# Altium PCB PCB_V2.PcbDoc (part 3 of 3)
Units mil, origin at the board's own origin, x right, y up, seen from the top; angles counter-clockwise.
Board outline 5050.36 x 2715 mil, 4 copper layers (Top Layer, GND, Power, Bottom Layer), stack 61.584 mil thick; 131 components, 101 nets, 507 pads, 705 vias.
Unrouted connection lines stored in the file: 2.
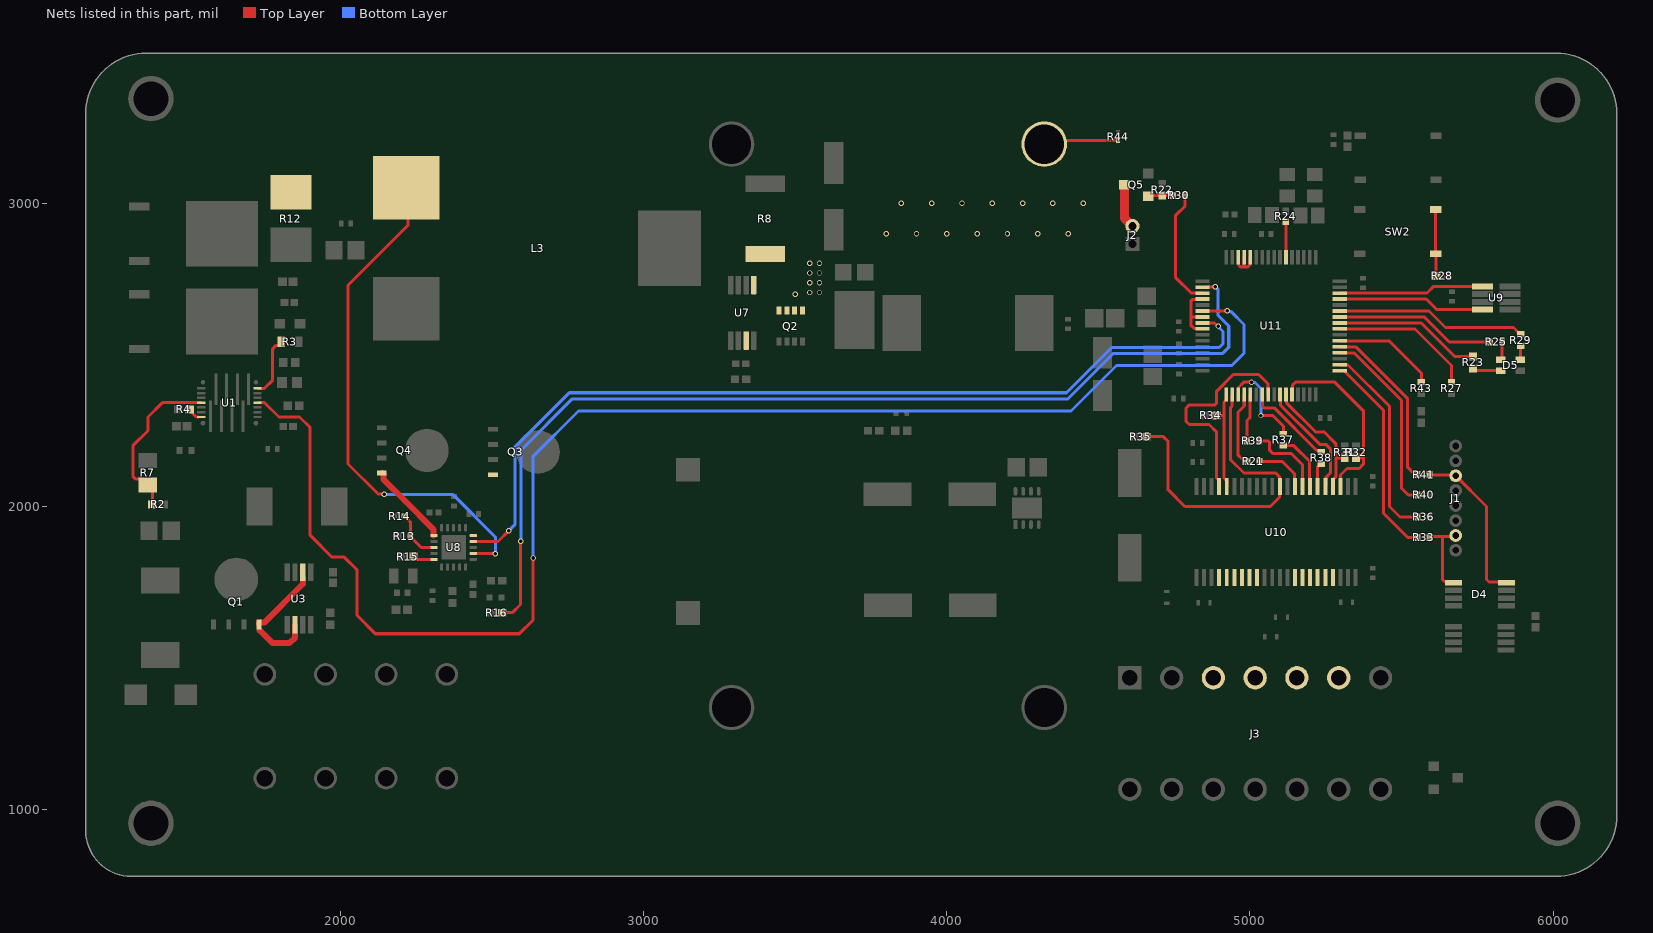
[diagram p5: the nets of this part, all layers, seen from the top]

## Via types
v1: diameter 17.72/17.72 (per signal layer), hole 11.81, Top Layer to Bottom Layer, 598 vias
v2: diameter 19.68/19.68 (per signal layer), hole 7.87, Top Layer to Bottom Layer, 106 vias
v3: diameter 18/18 (per signal layer), hole 11.81, Top Layer to Bottom Layer, 1 vias

## Nets (pads, with @x,y where several pads share a name; then routed paths per layer and width w, separated by ;. In a path a pad name is that pad's centre, name@x,y a point inside that pad or via, vN(x,y) a via of type N, cw(c..) or ccw(c..) an arc to the next point about the centre after c; other vN are vias at no path point) (continued)
NetD4_4: D4.4 J1.6 R41.1 | length 541.6
  Top Layer w10: R41.1@5592.82,2105.21 5594.82,2103.21 5676.45,2103.21 J1.6@5678.45,2101.21 5780,1999.66 5780,1758.66 5788.17,1750.49 5843.64,1750.49 D4.4@5845.54,1748.6
NetD4_5: D4.5 J1.2 R33.1 | length 270.7
  Top Layer w10: R33.1@5592.82,1897.78 5596.03,1901 5635.64,1901 ; D4.5@5671.36,1748.6 5667.51,1752.45 5641.49,1752.45 5635.64,1758.31 5635.64,1901 ; J1.2@5678.45,1904.21 5675.24,1901 5635.64,1901
NetD5_1: D5.1 R23.1 | length 95
  Top Layer w10: R23.1@5735.82,2455.09 5743.03,2447.87 D5.1@5827.86,2447.87
NetD5_2: D5.2 R25.1 | length 60.6
  Top Layer w10: D5.2@5827.86,2483.31 5831.42,2486.87 R25.1@5831.42,2542.43
NetD5_3: D5.3 R29.1 | length 46.2
  Top Layer w10: D5.3@5890.85,2483.31 5892.88,2485.34 R29.1@5892.88,2528.65
NetJ2_2: J2.2 Q5.3 | length 147.4
  Top Layer w30: Q5.3@4585.53,3060.81 4585.53,2951.28 J2.2@4612.28,2924.53
NetJ3_5: J3.5 U10.4 U10.5 U10.6
NetJ3_7: J3.7 U10.7 U10.8 U10.9
NetJ3_9: J3.9 U10.14 U10.15 U10.16
NetJ3_11: J3.11 U10.17 U10.18 U10.19
NetL3_1: L3.1 R12.2 U8.2 | length 1729.2
  Top Layer w10: v1(2145,2040) 2143.52,2041.48 2123.52,2041.48 2025,2140 2025,2730 2222.43,2927.43 2222.43,3008.14 2255,3040.71 L3.1@2241.26,3054.45 ; U8.2@2438.19,1844.96 2509.68,1844.96 v1(2510.75,1843.9)
  Bottom Layer w10: v1(2145,2040) 2370,2040 2510.75,1899.25 v1(2510.75,1843.9)
NetQ1_4: Q1.4 U3.2 U3.6 | length 426.1
  Top Layer w10: 1733.62,1591.3 Q1.4@1733.62,1611.59
  Top Layer w20: Q1.4@1731.42,1610.67 1731.42,1614.88 1733.35,1616.81 1748.58,1616.81 1875.83,1744.06 U3.6@1875.83,1764.33 ; 1733.62,1591.3 1775.28,1549.65 1832.41,1549.65 1850.24,1567.47 U3.2@1850.24,1609.65
NetQ2_1: Q2.1 Q2.2 Q2.3 R8.2 U7.1 | length 21.7
  Top Layer w10: U7.1@3363.58,2708.7 U7.1@3363.58,2730.35
  other v1: 3500,2700 3547.5,2705.71 3580,2705.71 3547.5,2737.86 3580,2737.86 3547.5,2770 3580,2770 3547.5,2802.14 3580,2802.14 3800,2900 3900,2900 4000,2900 4100,2900 4200,2900 4300,2900 4400,2900 3850,3000 3950,3000 4050,3000 4150,3000 4250,3000 4350,3000 4450,3000
NetQ2_4: Q2.4 U7.7
NetQ3_4: Q3.4 U8.5 | length 6.5
  Top Layer w10: U8.5@2438.19,1904.02 U8.5@2444.72,1904.02
NetQ4_4: Q4.4 U8.11 | length 280.1
  Top Layer w10: U8.11@2306.6,1904.29 2306.88,1904.02 U8.11@2308.27,1904.02
  Top Layer w20: Q4.4@2136.42,2109.65 2140.63,2109.65 2142.56,2107.72 2142.56,2088.5 2212.81,2018.25 2212.81,2018.08 2306.6,1924.29 U8.11@2306.6,1904.29
NetQ5_1: Q5.1 R22.1 R30.1 | length 79.5
  Top Layer w10: Q5.1@4666.67,3025.81 R22.1@4710.53,3025.81 R30.1@4746.16,3025.81
NetR2_2: R2.2 R7.1 U1.18 | length 543.6
  Top Layer w10: R2.2@1379.86,2006.89 1379.86,2055.65 1345.51,2090 1325,2090 1315,2100 1315,2200 1365,2250 1365,2295 1412.31,2342.31 U1.18@1541.25,2342.31
NetR3_1: R3.1 U1.8 | length 205.4
  Top Layer w10: U1.8@1726.29,2389.56 1749.56,2389.56 1776.42,2416.42 1776.42,2519.92 1786.94,2530.45 1796.79,2530.45 1804.58,2538.24 R3.1@1804.58,2543.16
NetR4_1: R4.1 U1.21 | length 42.6
  Top Layer w10: R4.1@1502.4,2320 1503.39,2320 1511.18,2312.2 1511.18,2308.41 1518.47,2301.12 1524.52,2295.07 U1.21@1532.47,2295.07
NetR13_2: R13.2 R14.1 U8.13 | length 167.5
  Top Layer w10: R14.1@2211.47,1967.1 2211.77,1967.1 2230.7,1948.17 R13.2@2230.7,1902.08 R13.2@2229.24,1903.55 ; R13.2@2230.7,1900.11 2266.17,1864.65 U8.13@2308.27,1864.65
NetR15_1: R15.1 U8.15 | length 70.8
  Top Layer w10: R15.1@2241.42,1834.65 R15.1@2241.42,1834.65 2250.7,1825.28 U8.15@2308.27,1825.28
NetR16_1: R16.1 U11.18 | length 3299.1
  Top Layer w10: R16.1@2533.82,1649.65 2566.42,1649.65 2593.5,1676.73 2593.5,1873.59 2593.68,1873.77 2593.68,1883.52 v1(2595.16,1885) ; U11.18@4860.82,2723.37 4861.63,2724.19 4884.19,2724.19 v1(4885,2725)
  Bottom Layer w10: v1(2595.16,1885) 2595.16,2185.16 2765,2355 4400,2355 4550,2505 4910,2505 4930,2525 4930,2595 4895,2630 4895,2715 v1(4885,2725)
NetR21_1: R21.1 U10.31 | length 176.3
  Top Layer w10: R21.1@5030.87,2148.46 5106.54,2148.46 5146.95,2108.05 5146.95,2066.71 U10.31@5148.45,2065.21
NetR21_2: R21.2 U11.36 | length 249.2
  Top Layer w10: U11.36@4981.12,2369.04 4981.12,2331.12 4960,2310 4960,2170 4975.09,2154.91 4986.66,2154.91 4991.5,2150.07 R21.2@4991.5,2148.46
NetR23_2: R23.2 U11.57 | length 485.6
  Top Layer w10: U11.57@5296.08,2605.26 5564.74,2605.26 5675.37,2494.63 R23.2@5735.82,2494.63
NetR24_1: R24.1 U11.6 | length 118
  Top Layer w10: U11.6@5118.91,2821.8 R24.1@5118.91,2939.75
NetR25_2: R25.2 U11.58 | length 530.2
  Top Layer w10: U11.58@5296.08,2624.95 5575.05,2624.95 5657.57,2542.43 R25.2@5792.05,2542.43
NetR27_1: R27.1 U11.56 | length 474.2
  Top Layer w10: U11.56@5296.08,2585.58 5544.42,2585.58 5665,2465 R27.1@5665,2409.68
NetR28_1: R28.1 SW2.1 SW2.2 | length 225.1
  Top Layer w10: SW2.2@5612.99,2979.93 SW2.2@5612.71,2979.65 SW2.1@5612.71,2833.98 5613.59,2833.1 R28.1@5613.59,2755.35
NetR29_2: R29.2 U11.59 | length 628.5
  Top Layer w10: U11.59@5296.08,2644.63 5391.47,2644.63 5391.78,2644.32 5590.68,2644.32 5645,2590 5868.93,2590 5890.91,2568.02 R29.2@5892.88,2568.02
NetR30_2: R30.2 U11.19 | length 394
  Top Layer w10: R30.2@4785.53,3025.81 4785.53,2990.53 4753.79,2958.79 4753.79,2756.21 4806.31,2703.69 U11.19@4843.32,2703.69
NetR31_1: R31.1 U10.26 U11.43 | length 412.5
  Top Layer w10: U11.43@5118.91,2369.04 5119.91,2368.04 5119.91,2342.15 5216.03,2246.03 5219.17,2246.03 ; 5219.2,2246 5244,2246 5283.19,2206.81 5283.19,2160.21 ; U10.26@5273.45,2065.21 5274.95,2066.71 5274.95,2089.95 5283.19,2098.19 5283.19,2160.21 ; R31.1@5303.45,2160.21 5283.19,2160.21
NetR32_1: R32.1 U10.25 U11.44 | length 638.1
  Top Layer w10: U11.44@5138.6,2369.04 5139.6,2370.04 5139.6,2399.6 5150,2410 5280,2410 5373.97,2316.03 5373.97,2160.21 ; U10.25@5298.45,2065.21 5298.45,2103.45 5320,2125 5360,2125 5373.97,2138.97 5373.97,2160.21 ; R32.1@5349.95,2160.21 5373.97,2160.21
NetR33_2: R33.2 U11.49 | length 685.9
  Top Layer w10: U11.49@5296.08,2447.78 5313.58,2447.78 5314.58,2446.78 5314.58,2443.42 5440,2318 5440,1978.66 5520.88,1897.78 R33.2@5553.45,1897.78
NetR34_2: R34.2 U10.40 U11.33 | length 339.1
  Top Layer w10: R34.2@4887.8,2300 4914.11,2300 ; U11.33@4922.06,2369.04 4922.06,2351.54 4921.06,2350.54 4919.96,2350.54 4914.11,2344.68 4914.11,2300 ; U10.40@4923.45,2065.21 4923.45,2086.46 4921.95,2087.96 4919.96,2087.96 4914.11,2093.82 4914.11,2300
NetR35_2: R35.2 U10.33 U11.34 | length 1110.8
  Top Layer w10: R35.2@4658.7,2230 4714.14,2230 4730,2214.14 4730,2055 4785,2000 5066.9,2000 5097.55,2030.65 5097.55,2064.31 U10.33@5098.45,2065.21 5096.95,2066.71 5096.95,2098.05 5085,2110 4980,2110 4935,2155 4935,2325 4940.75,2330.75 4940.75,2368.04 U11.34@4941.75,2369.04
NetR36_2: R36.2 U11.50 | length 658.7
  Top Layer w10: U11.50@5296.08,2467.47 5297.08,2466.47 5323.53,2466.47 5460,2330 5460,2000 5494.79,1965.21 R36.2@5553.45,1965.21
NetR37_1: R37.1 U11.35 | length 316.3
  Top Layer w10: U11.35@4961.43,2369.04 4962.43,2370.04 4962.43,2392.58 4979.85,2410 v1(5005,2410) ; v1(5036.16,2299.79) 5075.21,2299.79 5110,2265 R37.1@5110,2239.68
  Bottom Layer w10: v1(5005,2410) 5006.48,2408.52 5016.48,2408.52 5036.16,2388.84 v1(5036.16,2299.79)
NetR37_2: R37.2 U10.29 | length 192.1
  Top Layer w10: R37.2@5110,2200.32 5144.69,2200.32 5196.95,2148.05 5196.95,2066.71 U10.29@5198.45,2065.21
NetR38_1: R38.1 U10.28 | length 81
  Top Layer w10: U10.28@5223.45,2065.21 5223.45,2130.73 5233.03,2140.32 R38.1@5235,2140.32
NetR38_2: R38.2 U11.39 | length 295
  Top Layer w10: U11.39@5040.17,2369.04 5040.92,2368.29 5040.92,2331.12 5046.78,2325.26 5079.74,2325.26 5220.47,2184.53 5230.16,2184.53 R38.2@5235,2179.68
NetR39_1: R39.1 U11.37 | length 157.2
  Top Layer w10: R39.1@4990.08,2216.31 4990.08,2283.22 5000.8,2293.95 U11.37@5000.8,2369.04
NetR39_2: R39.2 U10.30 | length 264
  Top Layer w10: R39.2@5029.45,2216.31 5059.14,2216.31 5065,2210.46 5065,2185 5075.26,2174.74 5136.48,2174.74 5173.45,2137.77 U10.30@5173.45,2065.21
NetR40_2: R40.2 U11.52 | length 621.5
  Top Layer w10: U11.52@5296.08,2506.84 5343.16,2506.84 5500,2350 5500,2060 5522.22,2037.78 R40.2@5553.45,2037.78
NetR41_2: R41.2 U11.53 | length 565.4
  Top Layer w10: U11.53@5296.08,2526.52 5348.48,2526.52 5520,2355 5520,2128.78 5537.08,2111.7 5548.61,2111.7 5553.45,2106.86 R41.2@5553.45,2105.21
NetR43_2: R43.2 U11.54 | length 343.2
  Top Layer w10: U11.54@5296.08,2546.21 5458.79,2546.21 5565,2440 R43.2@5565,2409.68
NetR44_1: pad.11@4321.5,3195 R44.1 | length 248.6
  Top Layer w10: pad.11@4333.7,3207.2 R44.1@4565,3207.2
  Top Layer w30: pad.11@4321.5,3195 pad.11@4333.7,3207.2
NetU1_5: U1.5 U11.22 | length 4815.2
  Top Layer w10: U1.5@1726.29,2342.31 1749.63,2342.31 1796.94,2295 1865,2295 1900,2260 1900,1905 1972.33,1832.67 2012.33,1832.67 2055,1790 2055,1640 2115,1580 2590,1580 2635,1625 2635,1829.25 v1(2635.75,1830) ; U11.22@4843.32,2644.63 4843.5,2644.82 4924.82,2644.82 v1(4925,2645)
  Bottom Layer w10: v1(2635.75,1830) 2635.75,2165.75 2785,2315 4410,2315 4560,2465 4940,2465 4980,2505 4980,2600 4936.48,2643.52 4926.48,2643.52 v1(4925,2645)
NetU8_4: U8.4 U11.24 | length 3013.1
  Top Layer w10: U8.4@2438.19,1884.33 2519.33,1884.33 v1(2555,1920) ; U11.24@4843.32,2605.26 4882.65,2605.26 4892.91,2595 v1(4895,2595)
  Bottom Layer w10: v1(2555,1920) 2575,1940 2575,2195 2755,2375 4395,2375 4544.25,2524.25 4898.59,2524.25 4910.75,2536.41 4910.75,2577.16 4895,2592.91 v1(4895,2595)
NetU9_1: U9.1 U11.62 | length 479.7
  Top Layer w10: U11.62@5296.08,2703.69 5583.69,2703.69 5606.16,2726.16 U9.1@5766.42,2726.16
NetU9_4: U9.4 U11.61 | length 484.7
  Top Layer w10: U11.61@5296.08,2684 5581,2684 5615.61,2649.39 U9.4@5766.42,2649.39
NetU10_27: U10.27 U11.42 | length 391.1
  Top Layer w10: U11.42@5099.23,2369.04 5100.23,2368.04 5100.23,2334.77 5230,2205 5250,2205 5265,2190 5265,2110 5249.95,2094.95 5249.95,2066.71 U10.27@5248.45,2065.21
NetU10_41: U10.41 U11.40 | length 730.1
  Top Layer w10: U10.41@4898.45,2065.21 4898.45,2086.46 4896.95,2087.96 4895.86,2087.96 4890,2093.82 4890,2245 4865,2270 4800,2270 4789.25,2280.75 4789.25,2324.25 4800,2335 4884.14,2335 4890,2340.86 4890,2380 4945,2435 5028.66,2435 5059.86,2403.81 U11.40@5059.86,2369.04
NetU11_12: U11.12 U11.13 U11.14 | length 125.9
  Top Layer w10: U11.14@4961.43,2821.8 4962.43,2820.8 4962.43,2796.07 4968.29,2790.21 4980.87,2790.21 ; U11.13@4981.12,2821.8 4980.87,2821.55 4980.87,2790.21 ; U11.12@5000.8,2821.8 4999.8,2820.8 4999.8,2796.56 4993.45,2790.21 4980.87,2790.21
NetU11_20: U11.20 U11.23 U11.25 | length 202.4
  Top Layer w10: U11.23@4843.27,2625 4805,2625 ; U11.25@4843.32,2585.58 4842.32,2586.58 4815.86,2586.58 4805,2597.43 4805,2625 ; U11.20@4843.32,2684 4842.32,2683 4810.86,2683 4805,2677.14 4805,2625
pads on no net: D4.6 J1.8 L3.MP U1.1 U1.2 U1.3 U1.15 U1.16 U1.17 U1.19 U1.20 U3.3 U3.5 U6.2 U6.5 U6.7 U8.12 U10.32 U10.34 U10.35 U10.36 U10.37 U10.38 U11.3 U11.8 U11.9 U11.10 U11.11 U11.30 U11.38 U11.41 U11.45 U11.46 U11.51 U11.60

## Polygon pours and split planes (outlines as drawn)
NetC2_1 on Top Layer "NONET_L01_P-001" (solid, pour order 1): 1555.03,2247.82 1555.03,2283.26 1490.03,2283.26 1486.42,2279.65 1486.42,2249.65 1491.42,2244.65 1551.85,2244.65
GND on Top Layer "NONET_L01_P-001" (solid, pour order 3): 3884.79,1750.91 3874.79,1760.91 3794.79,1760.91 3779.79,1745.91 3779.79,1595.91 3789.79,1585.91 3874.79,1585.91 3884.79,1595.91
GND on Top Layer "NONET_L01_P-001" (solid, pour order 8): 2959.82,1787.06 2959.82,1599.65 3336.42,1599.65 3336.42,1787.06
NetC1_1 on Top Layer "NETC1_1_L01_P009" (solid, pour order 9): 1545,1665 1499.99,1710.01 1499.99,1830.01 1465,1865 1141.77,1865 1100,1953.33 1100,2350 1710,2350 1760,2400 1855,2400 1855,2130 1885,2100 2120,2100 2120,1820 2170,1770 2620,1770 2655,1805 2655,1885 3900.67,1885 3925.67,1860 3925.67,1385 2111,1385 2044.84,1451.16 2044.95,1590 2044.95,1597.12 1977.03,1665
GND on Top Layer "NONET_L01_P-001" (solid, pour order 10): 4523.45,2135.21 4513.45,2125.21 4513.45,2045.21 4528.45,2030.21 4678.45,2030.21 4688.45,2040.21 4688.45,2125.21 4678.45,2135.21
GND on Top Layer "NONET_L01_P-001" (solid, pour order 22): 3884.04,2117.67 3874.04,2127.67 3794.04,2127.67 3779.04,2112.67 3779.04,1962.67 3789.04,1952.67 3874.04,1952.67 3884.04,1962.67
NetC15_1 on Top Layer "NONET_L01_P-001" (solid, pour order 30): 4405,2470 4405,2492.03 4520,2607.03 4520,2740 4220,2740 4195,2715 4195,2619.61 3906.42,2320.8 3906.42,1883.58 3930.35,1859.65 4151.42,1859.65 4211.42,1919.65 4211.42,2014.65 4226.42,2029.65 4246.42,2029.65 4266.42,2049.65 4266.42,2290 4315,2290 4405,2380
GND on Top Layer "NONET_L01_P-001" (solid, pour order 35): 5308.03,1793.71 5306.03,1793.71 5283.17,1793.71 5285.36,1615.79 5335.36,1565.79 5460.36,1565.79 5470.36,1575.79 5470.36,1631.38 5460.22,1641.52 5333.47,1641.52 5310.41,1664.58 5309.43,1793.71
GND on Top Layer "NONET_L01_P-001" (solid, pour order 36): 4860.79,1793.13 4862.78,1793.13 4887.2,1793.13 4887.2,1613.23 4823.92,1565.21 4708.45,1565.21 4698.45,1575.21 4698.45,1630.79 4708.6,1640.94 4835.34,1640.94 4858.4,1664 4859.38,1793.13
NetJ3_11 on Top Layer "NONET_L01_P-001" (solid, pour order 37): 5288.45,1611.55 5370,1551.31 5370,1355 5215.03,1355 5215.03,1559.7 5213.45,1561.28 5213.45,1793.63 5215.03,1795.21 5288.45,1795.21
NetJ3_9 on Top Layer "NONET_L01_P-001" (solid, pour order 38): 5213.45,1560 5213.45,1355 5083.98,1355 5083.98,1530 5125,1530 5125,1795.21 5213.45,1795.21
NetJ3_7 on Top Layer "NONET_L01_P-001" (solid, pour order 39): 4961.69,1795.21 5045,1795.21 5045,1530 5083.98,1530 5083.98,1355 4961.69,1355 4961.69,1553.6
NetJ3_5 on Top Layer "NONET_L01_P-001" (solid, pour order 40): 4885.7,1797.46 4956.2,1797.46 4958.45,1795.21 4958.45,1556.68 4958.45,1355 4810,1355 4810,1552.25 4885.7,1610
NetC11_2 on Top Layer "S" (solid, pour order 42): 4655,1540 4365.75,1829.25 4365.75,1920.32 4326.42,1959.65 4221.42,1959.65 4211.42,1949.65 4211.42,1919.65 4147.09,1855.32 3920,1855.32 3920,485 5040,485 5185,340 5310,465 5310,490 6050,490 6540,980 6380,1140 6380,3785 6230,3635 4525,3635 4525,2580 4775,2580 4830,2635 4830,2705 4860,2735 4910,2735 5000,2645 5000,2490 4940,2430 4705,2430 4565,2290 4430,2290 4430,2060 4505,1985 5415,1985 5505,1895 5505,1570 5475,1540
NetC21_1 on Top Layer "NONET_L01_P-001" (solid, pour order 43): 2655,1955 2621.06,1955 2620.71,1954.65 2566.42,2008.94 2566.42,2261.42 2594.65,2289.65 2784.65,2289.65 2785,2290 4430,2290 4430,2215 4430,2054.52 4499.52,1985 5415,1985 5505,1895 5505,1570 5455,1520 3930,1520 3930,1815 3865,1880 2655,1880
NetQ3_4 on Top Layer "NONET_L01_P-001" (solid, pour order 44): 2418.23,1894.65 2497.36,1894.65 2523.23,1920.51 2523.23,2114.65 2518.23,2119.65 2483.23,2119.65 2478.23,2114.65 2478.23,1934.65 2463.23,1919.65 2428.23,1919.65 2418.23,1909.65
GND on Top Layer "NONET_L01_P-001" (solid, pour order 50): 4860,2430 4895,2395 4895,2325 4965,2255 5105,2255 5145,2295 5145,2455 5000,2600 5000,2660 4915,2745 4860,2745 4830,2715 4830,2635 4775,2580 4495,2580 4345,2430 2725,2430 2540,2245 2540,2165 2475,2100 2120,2100 2120,1820 2170,1770 2620,1770 2670,1820 2670,2165 2770,2265 4540,2265 4705,2430
NetL3_1 on Top Layer "NONET_L01_P-001" (solid, pour order 61): 1755,3135 1795,3175 2330,3175 2345,3160 2345,2940 2339.13,2934.13 1770.87,2934.13 1755,2950
GND on Top Layer "NONET_L01_P-001" (solid, pour order 81): 1430,2444.78 1435.22,2450 1554.82,2450 1565,2439.82 1565,2403.46 1556.54,2395 1440,2395 1430,2405
NetC4_1 on Top Layer "NETC4_1_L01_P082" (solid, pour order 82): 3445,2885 3510.59,2950.59 3510.59,2990.59 3560,3040 3705,3040 3755,3090 3755,3095 4525,3095 4525,3515 4485,3555 1075,3555 1100,2350 1710,2350 1760,2400 1855,2400 1975,2520 2010,2520 2010,2730 2205,2925 3195,2925 3195,2765 3265,2695 3325,2695 3325,2865 3345,2885
NetC3_1 on Top Layer "Top Layer-NetC7_1" (solid, pour order 83): 987.4,654.99 3925,654.99 3925,1385 2111,1385 2044.2,1451.8 2045,1452.6 2045,1590 1974.33,1660.67 1549.33,1660.67 1499.99,1710.01 1499.99,1825.01 1465,1860 1405,1860 1402.28,1862.72 987.4,1862.72
NetD1_2 on Top Layer "NONET_L01_P-001" (solid, pour order 84): 3430,2618.6 3429.1,2619.5 3399.5,2619.5 3380,2600 3380,2430 3430,2430 4345,2430 4495,2580 4525,2580 4525,2815 3785,2815 3588.6,2618.6
GND on Top Layer "NONET_L01_P-001" (solid, pour order 85): 3620,2830 3590,2830 3570,2850 3570,2965 3600,2995 3742.5,2995 3767.5,2970 3767.5,2740 3620,2740
GND on Top Layer "NONET_L01_P-001" (solid, pour order 86): 2166.42,2284.65 2046.42,2284.65 2031.42,2269.65 2031.42,2148.94 2045.71,2134.65 2156.42,2134.65 2171.42,2149.65 2171.42,2279.65
GND on Top Layer "NONET_L01_P-001" (solid, pour order 87): 495,15265 545,15215 6165,15215 6420,14960 6420,10600 5650,9830 905,9830 0,10735 0,14915
NetQ2_4 on Top Layer "NONET_L01_P-001" (solid, pour order 88): 3455,2665 3455,2626.63 3396.63,2626.63 3350,2580 3350,2515 3325,2515 3325,2595 3395,2665
NetQ2_1 on Top Layer "NONET_L01_P-001" (solid, pour order 89): 3425,2925 3325,2925 3325,2618.6 3588.6,2618.6 3710,2740 3785,2815 4520,2815 4520,3095 3595,3095
NetC20_1 on Top Layer "NETC20_1_L01_P090" (solid, pour order 90): 1885,2100 2475,2100 2540,2165 2540,2245 2725,2430 3475,2430 3475,2925 2230,2925 1980,2675 1980,2525 1855,2400 1855,2130
GND on Bottom Layer "NONET_L01_P-001" (solid, pour order 45): 4860,2430 4930,2360 4930,2290 4960,2260 5315,2260 5400,2345 5400,2665 5310,2755 4855,2755 4815,2715 4815,2620 4775,2580 4495,2580 4345,2430 2725,2430 2540,2245 2540,2165 2475,2100 2120,2100 2120,1820 2170,1770 2620,1770 2665,1815 2665,2155 2790,2280 4555,2280 4705,2430
NetC3_1 on Bottom Layer "NETC3_1_L04_P072" (solid, pour order 72): 3905,1155 3930,1130 3930,679.99 3905,654.99 987.4,654.99 987.4,1862.72 1069.07,1884.99 1487.4,1884.99 1567.4,1804.99 1567.4,1644.99 1692.4,1519.99 1976.01,1519.99 2113.23,1382.77 3060.18,1382.77 3095,1355 3905,1355
NetC11_2 on Bottom Layer "S" (solid, pour order 74): 3930,1515 3930,485 5040,485 5185,340 5310,465 5310,490 6050,490 6540,980 6380,1140 6380,3785 6230,3635 4525,3635 4525,2580 4775,2580 4830,2635 4830,2715 4860,2745 4915,2745 5000,2660 5000,2490 4940,2430 4705,2430 4565,2290 4450,2290 4450,2070 4530,1990 5410,1990 5505,1895 5505,1570 5450,1515
NetC21_1 on Bottom Layer "NONET_L01_P-001" (solid, pour order 78): 3095,1915 3065,1885 2669.33,1885 2655,1899.33 2655,2160 2785,2290 4430,2290 4430,2215 4430,2054.52 4499.52,1985 5415,1985 5505,1895 5505,1570 5475,1540 5468.88,1540 5443.88,1515 4550,1515 4525,1540 3930,1540 3930,1815 3830,1915
NetC1_1 on Bottom Layer "NETC1_1_L04_P073" (solid, pour order 73): 1710,2350 1760,2400 1855,2400 1855,2130 1885,2100 2120,2100 2120,1820 2170,1770 2620,1770 2655,1805 2655,1885 3820,1885 3905,1800 3905,1385 2112.4,1385 1977.4,1520 1690,1520 1565,1645 1565,1807.39 1487.4,1885 1141,1885 1100,1953.33 1100,2350
NetC20_1 on Bottom Layer "NETC20_1_L04_P076" (solid, pour order 76): 2250,2945 3085,2945 3105,2925 3460,2925 3460,2430 2725,2430 2540,2245 2540,2165 2475,2100 1885,2100 1855,2130 1855,2400 1980,2525 1980,2675
NetD1_2 on Bottom Layer "NONET_L01_P-001" (solid, pour order 77): 3480,2430 3480,2605 3600,2605 3790,2795 4510,2795 4510,2580 4495,2580 4345,2430
NetQ2_1 on Bottom Layer "NONET_L01_P-001" (solid, pour order 71): 3510,2920 3480,2920 3480,2625 3595,2625 3710,2740 3785,2815 4510,2815 4510,3095 3685,3095
NetC4_1 on Bottom Layer "NETC4_1_L04_P075" (solid, pour order 75): 1075,3555 4410,3555 4445,3555 4485,3555 4510,3530 4510,3115 3670,3115 3500,2945 2250,2945 1980,2675 1980,2520 1975,2520 1855,2400 1760,2400 1710,2350 1100,2350
GND on Bottom Layer "NONET_L01_P-001" (solid, pour order 66): 195,15360 6050,15360 6545,14865 6545,10005 6525,9985 465,9985 0,10450 0,15170
no net on Bottom Solder (solid): 3115,2463.02 4333.02,2463.02 4500,2630 4500,3365 3115,3365
no net on Bottom Solder (solid): 3115,1170 4500,1170 4500,2250 3115,2250
NetC1_1 on Power (split plane): 1379.9,2315 1379.9,2265 1380.29,2263.05 1381.4,2261.4 1406.4,2236.4 1408.05,2235.29 1410,2234.9 1480,2234.9 1481.95,2235.29 1483.6,2236.4 1498.6,2251.4 1532.11,2284.9 1849.9,2284.9 1849.9,2130 1850.29,2128.05 1851.4,2126.4 1881.4,2096.4 1883.05,2095.29 1885,2094.9 2114.9,2094.9 2114.9,2065 2114.9,1820 2115.29,1818.05 2116.4,1816.4 2166.4,1766.4 2168.05,1765.29 2170,1764.9 2620,1764.9 2621.95,1765.29 2623.6,1766.4 2673.6,1816.4 2674.71,1818.05 2675.1,1820 2675.1,1909.9 3827.89,1909.9 3833.27,1904.52 3837.02,1900.77 3853.9,1883.9 3853.9,1883.89 3898.9,1838.9 3924.9,1812.89 3924.9,1560 3924.9,1540 3924.9,1390.1 2112.11,1390.1 1978.6,1523.6 1976.95,1524.71 1975,1525.1 1692.11,1525.1 1570.1,1647.11 1570.1,1805 1569.71,1806.95 1568.6,1808.6 1488.6,1888.6 1486.95,1889.71 1485,1890.1 1180.1,1890.1 1180.1,2344.9 1379.9,2344.9
NetC3_1 on Power (split plane): 1559.9,1802.89 1559.9,1645 1560.29,1643.05 1561.4,1641.4 1686.4,1516.4 1688.05,1515.29 1690,1514.9 1972.89,1514.9 2106.4,1381.4 2108.05,1380.29 2110,1379.9 3924.9,1379.9 3924.9,800.1 1310,800.1 1309.41,800.04 1300.73,800.35 1291.5,801.34 1282.37,802.99 1273.38,805.28 1264.58,808.21 1256,811.76 1247.71,815.92 1239.73,820.65 1232.1,825.94 1224.88,831.77 1218.09,838.09 1211.77,844.88 1205.94,852.1 1200.65,859.73 1195.92,867.71 1191.76,876 1188.21,884.58 1185.28,893.38 1182.99,902.37 1181.34,911.5 1180.35,920.73 1180.04,929.41 1180.1,930 1180.1,1879.9 1482.89,1879.9
GND on Power (split plane): 1849.9,2295.1 1530,2295.1 1528.05,2294.71 1526.4,2293.6 1491.4,2258.6 1477.89,2245.1 1412.11,2245.1 1390.1,2267.11 1390.1,2344.9 1710,2344.9 1711.95,2345.29 1713.6,2346.4 1753.6,2386.4 1753.61,2386.4 1762.11,2394.9 1849.9,2394.9
NetC20_1 on Power (split plane): 3469.9,2895 3469.9,2655 3469.9,2620 3469.9,2605 3469.9,2435.1 2725,2435.1 2723.05,2434.71 2721.4,2433.6 2536.4,2248.6 2535.29,2246.95 2534.9,2245 2534.9,2167.11 2472.89,2105.1 1887.11,2105.1 1860.1,2132.11 1860.1,2397.89 1983.6,2521.4 1984.71,2523.05 1985.1,2525 1985.1,2565 1985.1,2672.89 2232.11,2919.9 3469.9,2919.9
NetC4_1 on Power (split plane): 1359.64,3474.91 1359.64,3474.9 1359.65,3474.9 1359.66,3474.9 1360.02,3474.9 4519.9,3474.9 4519.9,3102.11 4517.89,3100.1 3685,3100.1 3683.05,3099.71 3681.4,3098.6 3512.89,2930.1 2230,2930.1 2228.05,2929.71 2226.4,2928.6 1976.4,2678.6 1975.29,2676.95 1974.9,2675 1974.9,2565 1974.9,2527.11 1852.89,2405.1 1760,2405.1 1758.05,2404.71 1756.4,2403.6 1746.4,2393.61 1746.4,2393.6 1707.89,2355.1 1180.1,2355.1 1180.1,3292.27 1179.97,3293.58 1179.92,3294.9 1179.7,3296.62 1180.03,3306.77 1181.18,3318.49 1183.1,3330.12 1185.78,3341.59 1189.2,3352.86 1193.35,3363.88 1198.21,3374.61 1203.76,3385 1209.98,3395 1216.84,3404.57 1224.31,3413.68 1232.36,3422.28 1240.96,3430.33 1250.07,3437.8 1259.64,3444.66 1269.64,3450.88 1280.03,3456.43 1290.76,3461.29 1301.78,3465.44 1313.05,3468.86 1324.52,3471.54 1336.15,3473.46 1347.87,3474.61 1358.94,3474.97
NetC21_1 on Power (split plane): 4424.9,2250 4424.9,2055 4425.29,2053.05 4426.4,2051.4 4496.4,1981.4 4498.05,1980.29 4500,1979.9 5412.89,1979.9 5499.9,1892.89 5499.9,1572.11 5472.89,1545.1 3935.1,1545.1 3935.1,1560 3935.1,1815 3934.71,1816.95 3933.6,1818.6 3906.1,1846.1 3861.11,1891.1 3861.1,1891.1 3844.23,1907.98 3840.48,1911.73 3833.6,1918.6 3831.95,1919.71 3830,1920.1 2675.1,1920.1 2675.1,2095 2675.1,2162.89 2706.1,2193.9 2706.11,2193.9 2741.1,2228.9 2772.11,2259.9 4424.9,2259.9
NetC11_2 on Power (split plane): 6021.77,3474.61 6033.49,3473.46 6045.12,3471.54 6056.59,3468.86 6067.86,3465.44 6078.88,3461.29 6089.61,3456.43 6100,3450.88 6110,3444.66 6119.57,3437.8 6128.68,3430.33 6137.28,3422.28 6145.33,3413.68 6152.8,3404.57 6159.66,3395 6165.88,3385 6171.43,3374.61 6176.3,3363.88 6180.44,3352.86 6183.86,3341.59 6186.54,3330.12 6188.46,3318.49 6189.61,3306.77 6189.97,3295.71 6189.9,3295 6189.9,980 6189.97,979.29 6189.61,968.23 6188.46,956.51 6186.54,944.88 6183.86,933.41 6180.44,922.14 6176.29,911.12 6171.43,900.39 6165.88,890 6159.66,880 6152.8,870.43 6145.33,861.32 6137.28,852.72 6128.68,844.67 6119.57,837.2 6110,830.34 6100,824.12 6089.61,818.57 6078.88,813.71 6067.86,809.56 6056.59,806.14 6045.12,803.46 6033.49,801.54 6021.77,800.39 6010.71,800.03 6010,800.1 3935.1,800.1 3935.1,1534.9 5475,1534.9 5476.95,1535.29 5478.6,1536.4 5508.6,1566.4 5509.71,1568.05 5510.1,1570 5510.1,1895 5509.71,1896.95 5508.6,1898.6 5418.6,1988.6 5416.95,1989.71 5415,1990.1 4502.11,1990.1 4435.1,2057.11 4435.1,2250 4435.1,2259.9 4540,2259.9 4541.95,2260.29 4543.6,2261.4 4583.6,2301.4 4707.11,2424.9 4827.89,2424.9 4904.9,2347.89 4904.9,2050 4905.29,2048.05 4906.4,2046.4 4936.4,2016.4 4938.05,2015.29 4940,2014.9 5190,2014.9 5191.95,2015.29 5193.6,2016.4 5223.6,2046.4 5224.71,2048.05 5225.1,2050 5225.1,2450 5224.71,2451.95 5223.6,2453.6 5003.6,2673.6 4913.6,2763.6 4911.95,2764.71 4910,2765.1 4865,2765.1 4863.05,2764.71 4861.4,2763.6 4826.4,2728.6 4825.29,2726.95 4824.9,2725 4824.9,2637.11 4772.89,2585.1 4530.1,2585.1 4530.1,2635 4530.1,3474.9 6010,3474.9 6010.71,3474.97
NetQ2_1 on Power (split plane): 4519.9,2820.1 3785,2820.1 3783.05,2819.71 3781.4,2818.6 3587.89,2625.1 3480.1,2625.1 3480.1,2655 3480.1,2895 3480.1,2919.9 3515,2919.9 3516.95,2920.29 3518.6,2921.4 3687.11,3089.9 4519.9,3089.9
GND on Power (split plane): 4996.4,2666.4 5214.9,2447.89 5214.9,2052.11 5187.89,2025.1 4942.11,2025.1 4915.1,2052.11 4915.1,2350 4914.71,2351.95 4913.6,2353.6 4833.6,2433.6 4831.95,2434.71 4830,2435.1 4705,2435.1 4703.05,2434.71 4701.4,2433.6 4576.4,2308.61 4576.4,2308.6 4537.89,2270.1 4435.1,2270.1 4435.1,2285 4434.71,2286.95 4433.6,2288.6 4431.95,2289.71 4430,2290.1 4428.05,2289.71 4426.4,2288.6 4425.29,2286.95 4424.9,2285 4424.9,2270.1 2770,2270.1 2768.05,2269.71 2766.4,2268.6 2733.9,2236.1 2698.9,2201.11 2698.9,2201.1 2666.4,2168.6 2665.29,2166.95 2664.9,2165 2664.9,2095 2664.9,1822.11 2617.89,1775.1 2172.11,1775.1 2125.1,1822.11 2125.1,2065 2125.1,2094.9 2475,2094.9 2476.95,2095.29 2478.6,2096.4 2543.6,2161.4 2544.71,2163.05 2545.1,2165 2545.1,2242.89 2727.11,2424.9 4345,2424.9 4346.95,2425.29 4348.6,2426.4 4497.11,2574.9 4775,2574.9 4776.95,2575.29 4778.6,2576.4 4833.6,2631.4 4834.71,2633.05 4835.1,2635 4835.1,2722.89 4867.11,2754.9 4907.89,2754.9
NetD1_2 on Power (split plane): 4519.9,2635 4519.9,2585.1 4495,2585.1 4493.05,2584.71 4491.4,2583.6 4342.89,2435.1 3480.1,2435.1 3480.1,2605 3480.1,2614.9 3590,2614.9 3591.95,2615.29 3593.6,2616.4 3787.11,2809.9 4519.9,2809.9
GND on GND (split plane): 1359.64,3474.91 1359.64,3474.9 1359.65,3474.9 1359.66,3474.9 1360.02,3474.9 6010,3474.9 6010.71,3474.97 6021.77,3474.61 6033.49,3473.46 6045.12,3471.54 6056.59,3468.86 6067.86,3465.44 6078.88,3461.29 6089.61,3456.43 6100,3450.88 6110,3444.66 6119.57,3437.8 6128.68,3430.33 6137.28,3422.28 6145.33,3413.68 6152.8,3404.57 6159.66,3395 6165.88,3385 6171.43,3374.61 6176.3,3363.88 6180.44,3352.86 6183.86,3341.59 6186.54,3330.12 6188.46,3318.49 6189.61,3306.77 6189.97,3295.71 6189.9,3295 6189.9,980 6189.97,979.29 6189.61,968.23 6188.46,956.51 6186.54,944.88 6183.86,933.41 6180.44,922.14 6176.29,911.12 6171.43,900.39 6165.88,890 6159.66,880 6152.8,870.43 6145.33,861.32 6137.28,852.72 6128.68,844.67 6119.57,837.2 6110,830.34 6100,824.12 6089.61,818.57 6078.88,813.71 6067.86,809.56 6056.59,806.14 6045.12,803.46 6033.49,801.54 6021.77,800.39 6010.71,800.03 6010,800.1 1310,800.1 1309.41,800.04 1300.73,800.35 1291.5,801.34 1282.37,802.99 1273.38,805.28 1264.58,808.21 1256,811.76 1247.71,815.92 1239.73,820.65 1232.1,825.94 1224.88,831.77 1218.09,838.09 1211.77,844.88 1205.94,852.1 1200.65,859.73 1195.92,867.71 1191.76,876 1188.21,884.58 1185.28,893.38 1182.99,902.37 1181.34,911.5 1180.35,920.73 1180.04,929.41 1180.1,930 1180.1,3292.27 1179.97,3293.58 1179.92,3294.9 1179.7,3296.62 1180.03,3306.77 1181.18,3318.49 1183.1,3330.12 1185.78,3341.59 1189.2,3352.86 1193.35,3363.88 1198.21,3374.61 1203.76,3385 1209.98,3395 1216.84,3404.57 1224.31,3413.68 1232.36,3422.28 1240.96,3430.33 1250.07,3437.8 1259.64,3444.66 1269.64,3450.88 1280.03,3456.43 1290.76,3461.29 1301.78,3465.44 1313.05,3468.86 1324.52,3471.54 1336.15,3473.46 1347.87,3474.61 1358.94,3474.97

## Other copper
Power (plane layer: these items are gaps in the copper):
  lines w10: 1125,2350 1350,2350 1385,2350 ; 1140,1885 1485,1885 1565,1805 1565,1645 1690,1520 1975,1520 2110,1385 3760,1385 3885,1385 3930,1385 ; 1385,2315 1385,2350 ; 1850,2290 1825,2290 1780,2290 1530,2290 1495,2255 1480,2240 1410,2240 1385,2265 1385,2350 ; 2120,2100 2120,2065 2120,1820 2170,1770 2620,1770 2670,1820 2670,2095 2670,2165 2702.5,2197.5 2737.5,2232.5 2770,2265 3235,2265 4095,2265 4540,2265 4580,2305 4705,2430 4822.5,2430 4830,2430 4910,2350 4910,2050 4940,2020 5190,2020 5220,2050 5220,2450 5000,2670 4910,2760 4865,2760 4830,2725 4830,2635 4775,2580 4525,2580 ; 2675,1915 3830,1915 3836.88,1908.12 3840.62,1904.38 3857.5,1887.5 3902.5,1842.5 3930,1815 3930,1560 3930,1540 ; 3475,2925 3475,2895 3475,2655 3475,2620 ; 3485,2430 3420,2430 2725,2430 2540,2245 2540,2165 2475,2100 1885,2100 1855,2130 1855,2400 ; 3930,765 3930,1540 ; 4430,2285 4430,2250 4430,2055 4500,1985 5415,1985 5505,1895 5505,1570 5475,1540 4335,1540 3930,1540 ; 4525,2815 4485,2815 3860,2815 3785,2815 3590,2620 3475,2620 ; 4525,3100 4520,3095 4465,3095 3775,3095 3685,3095 3515,2925 2390,2925 2230,2925 1980,2675 1980,2565 1980,2525 1855,2400 ; 4525,3495 4525,2635 4525,2580 ; 1385,2350 1710,2350 1750,2390 1760,2400 1810,2400 1855,2400 ; 3475,2620 3475,2605 3475,2430 4345,2430 4495,2580 4525,2580

## Silkscreen, mask and mechanical layers (free items; w line width, h text height)
Top Overlay:
  drawing of 26 lines, arcs and shapes, not listed
  text "User" at 5651,3131 h60
  text "M3 Screws With" at 3823.42,3022 h40
  text "Rubber Spacers" at 3817,2945.33 h40
  text "GND" at 4436,2906 h40
  text "Reset" at 5651,2881 h60
  text "5V" at 4476,2836 h40
  text "NC" at 5881,2176 h40
  text "GND" at 5879.45,2126.21 h40
  text "UART_RX" at 5884.45,2077.87 h40
  text "UART_TX" at 5884.45,2032.87 h40
  text "nRST" at 5884.45,1981.21 h40
  text "SWCLK" at 5884.45,1931.21 h40
  text "SWDIO" at 5884.45,1881.21 h40
  text "3.3V" at 5884.45,1831.21 h40
  text "E-Clutch" at 3751,1141 h60
  text "CPPFSAE25" at 3751,1016 h60
  text "Ryan Bacay" at 3751,900.99 h60
Bottom Overlay:
  drawing of 23 lines, arcs and shapes, not listed
Bottom Solder:
  pour cut-out: 4429.35,3195 cw(c4321.5,3195) 4213.64,3195 cw(c4321.5,3195)
  pour cut-out: 3397.86,3195 cw(c3290,3195) 3182.14,3195 cw(c3290,3195)
  pour cut-out: 3397.86,1336.73 cw(c3290,1336.73) 3182.14,1336.73 cw(c3290,1336.73)
  pour cut-out: 4429.35,1336.73 cw(c4321.5,1336.73) 4213.64,1336.73 cw(c4321.5,1336.73)
Mechanical 1:
  lines w10: 1159.64,3295 cw(c1359.64,3295) 1359.64,3495 ; 1160,3292.27 1160,930 ccw(c1310,930) 1310,780 6010,780 ccw(c6010,980) 6210,980 6210,3295 ccw(c6010,3295) 6010,3495 1360,3495

## Text inside footprints (layer, text, board x,y; h text height)
C13: Top Overlay "+" at 4460,2535 h40 r90
J1: Mechanical 1 "1" at 5763.45,1845.21 h40 r90
SW1: Mechanical 13 "*" at 5592.45,3096.71 h40 r180; Top Overlay "*" at 5636.16,3060.38 h40 r180
SW2: Mechanical 13 "*" at 5591.5,2853.32 h40 r180; Top Overlay "*" at 5635.21,2816.98 h40 r180
U4: Mechanical 13 "*" at 1409.34,2712.15 h40 r270
U5: Mechanical 13 "*" at 1409.34,3002.15 h40 r270
U10: Mechanical 13 "*" at 4861.45,1795.96 h40 r90; Top Overlay "*" at 4798.45,1720.21 h40 r90
U11: Mechanical 13 "RefDes2" at 5055,2720 h40 r270